# Altium PCB GridSeed_Rev03.PcbDoc (part 5 of 5)
Units mm, origin at the board's own origin, x right, y up, seen from the top; angles counter-clockwise.
Board outline 91 x 132.3 mm, 4 copper layers (L1, L2, L3, L4), stack 1.577 mm thick; 522 components, 141 nets, 2177 pads, 2361 vias.
Unrouted connection lines stored in the file: 44.
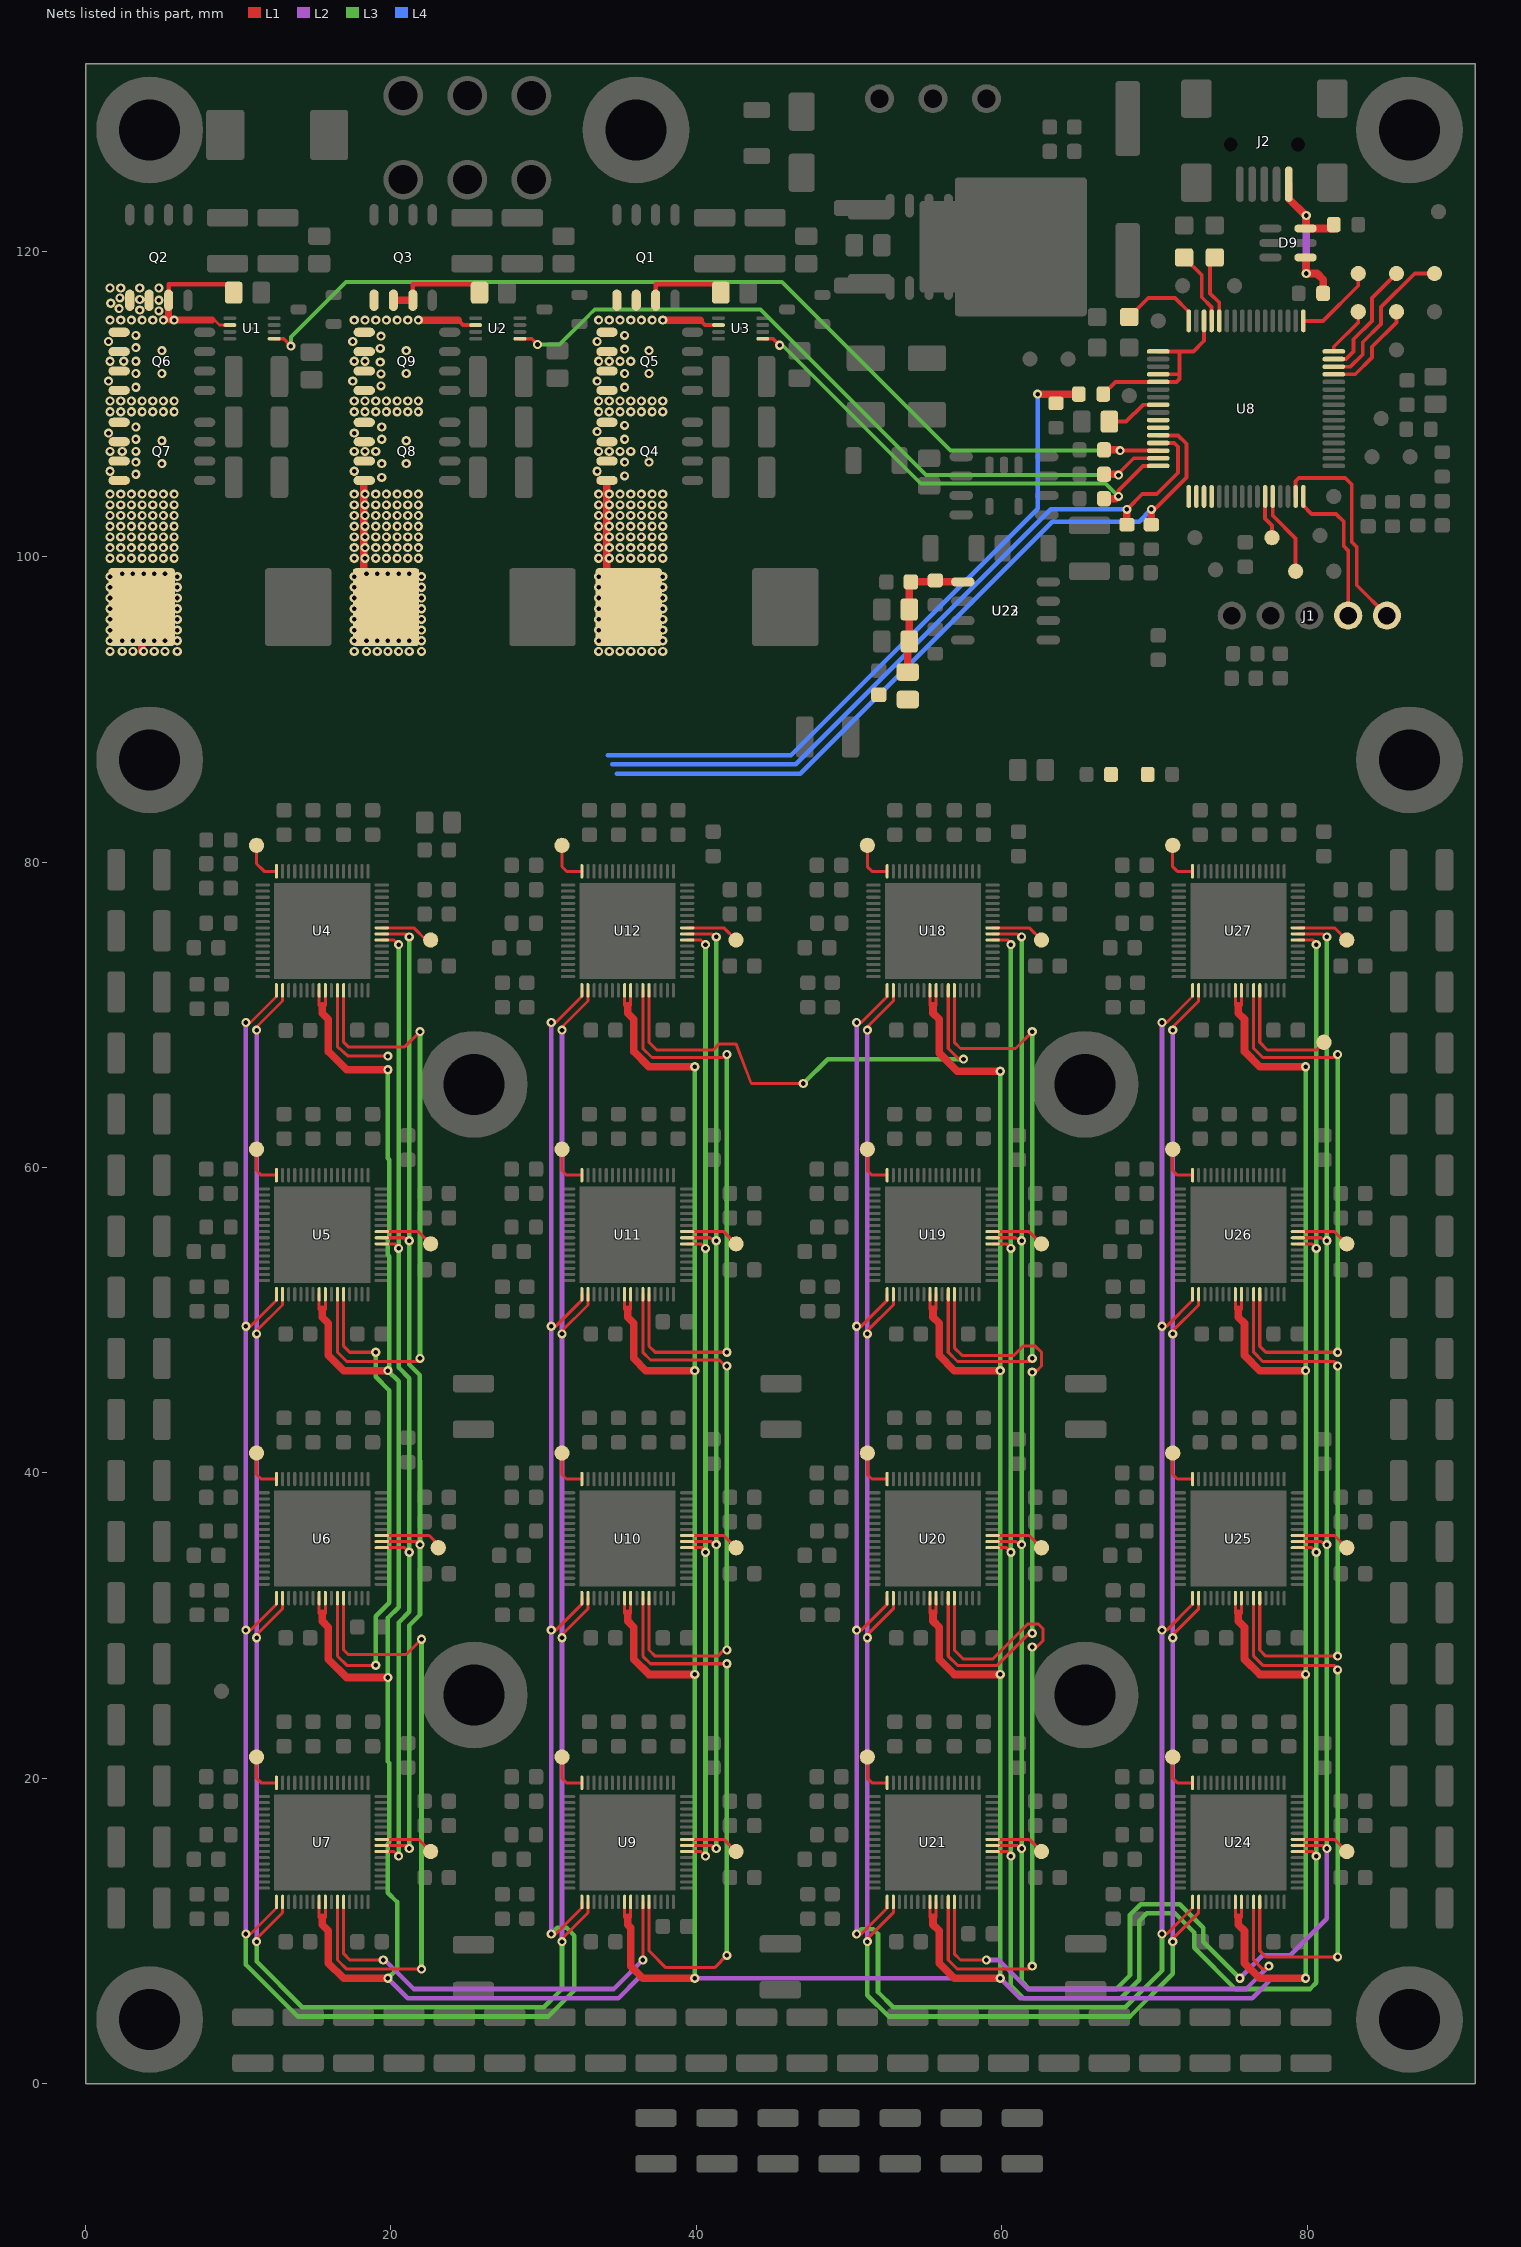
[diagram p7: the nets of this part, all layers, seen from the top]

## Via types
v1: diameter 0.6/0.6/0.6/0.6 (per signal layer), hole 0.3, L1 to L4, 2361 vias

## Nets (pads, with @x,y where several pads share a name; then routed paths per layer and width w, separated by ;. In a path a pad name is that pad's centre, name@x,y a point inside that pad or via, vN(x,y) a via of type N, cw(c..) or ccw(c..) an arc to the next point about the centre after c; other vN are vias at no path point) (continued)
NetTP27_1: TP27.1 U8.29 | length 6.6
  L1 w0.25: U8.29@81.75,111.95 83.156,111.95 84.253,113.047 84.253,113.753 85.85,115.35 TP27.1@85.85,116.05
NetTP28_1: TP28.1 U8.30 | length 10.2
  L1 w0.25: U8.30@81.75,112.45 82.85,112.45 83.65,113.25 83.65,114.05 84.85,115.25 84.85,116.35 87.05,118.55 TP28.1@88.35,118.55
NetTP29_1: TP29.1 U8.31 | length 7.8
  L1 w0.25: U8.31@81.75,112.95 82.55,112.95 83.05,113.45 83.05,114.25 84.25,115.45 84.25,116.95 TP29.1@85.85,118.55
NetTP30_1: TP30.1 U8.32 | length 3.3
  L1 w0.25: U8.32@81.75,113.45 81.75,113.75 83.35,115.35 TP30.1@83.35,116.05
NetTP31_1: TP31.1 U8.33 | length 5.4
  L1 w0.25: U8.33@79.75,115.45 81.05,115.45 83.35,117.75 TP31.1@83.35,118.55
NetTP53_1: TP53.1 U8.11 | length 2.9
  L1 w0.25: U8.11@77.25,103.95 77.25,102.494 77.7,102.044 TP53.1@77.7,101.25
NetTP54_1: TP54.1 U8.12 | length 5.5
  L1 w0.25: U8.12@77.75,103.95 77.75,102.7 79.25,101.2 TP54.1@79.25,99.05
ORANGE: D7.2 U8.45 | length 4.9
  L1 w0.25: D7.2@71.95,119.6 73.1,118.45 73.1,117 73.75,116.35 U8.45@73.75,115.45
PGC: J1.5 U8.15 | length 14.5
  L1 w0.25: U8.15@79.25,103.95 79.25,104.95 79.45,105.15 82.5,105.15 82.925,104.725 82.925,100.975 83.25,100.65 83.25,98.13 J1.5@85.23,96.15
PGD: J1.4 U8.16 | length 10
  L1 w0.25: U8.16@79.75,103.95 79.75,103.35 80.3,102.8 81.9,102.8 82.4,102.3 82.4,100.7 82.69,100.41 J1.4@82.69,96.15
PLL_SUP: C259.1 C260.1 C274.1 FB1.1 R50.1 R52.1 U22.1 U23.1 | length 9.7
  L1 w0.2: U22.1@57.405,98.355 U22.1@57.45,98.355 U22.1@57.501,98.355
  L1 w0.25: R50.1@55.6,98.355 R50.1@55.65,98.45
  L1 w0.5: FB1.1@53.85,92.45 53.85,94.35 C259.1@53.95,94.45 C274.1@53.95,96.55 53.95,98.25 54.055,98.355 R50.1@55.6,98.355 ; R50.1@55.65,98.45 55.6,98.4 R50.1@55.6,98.355 ; U22.1@57.405,98.355 R50.1@55.6,98.355 ; U22.1@57.501,98.355 U22.1@57.55,98.355
PWM2H: R22.1 U2.5 U8.63 | length 48.9
  L1 w0.25: U2.5@28.45,114.275 29.225,114.275 v1(29.6,113.9) ; v1(67.65,105.35) 67.6,105.4 68.65,106.45 U8.63@70.25,106.45
  L1 w0.5: R22.1@66.7,105.4 v1@67.6,105.4
  L3 w0.25: v1(29.6,113.9) 31.045,113.9 31.07,113.925 31.08,113.925 32.925,115.77 32.925,115.78 33.32,116.175 33.33,116.175 33.355,116.2 44.2,116.2 55.05,105.35 v1(67.65,105.35)
PWM2L: R24.1 U1.5 U8.62 | length 65.8
  L1 w0.25: U1.5@12.35,114.275 12.975,114.275 v1(13.45,113.8) ; v1(67.75,106.95) U8.62@70.25,106.95
  L1 w0.5: R24.1@66.7,107 67.7,107 v1(67.75,106.95)
  L3 w0.25: v1(13.45,113.8) 13.45,114.4 17.05,118 45.6,118 56.65,106.95 v1(67.75,106.95)
PWM3L: R21.1 U3.5 U8.64 | length 32.2
  L1 w0.25: U3.5@44.35,114.275 45.025,114.275 v1(45.45,113.85) ; v1(67.65,103.95) 67.65,104.35 69.25,105.95 U8.64@70.25,105.95
  L1 w0.5: R21.1@66.7,103.8 67.469,103.8 67.596,103.927 v1(67.65,103.95)
  L3 w0.25: v1(45.45,113.85) 45.65,113.85 54.7,104.8 66.8,104.8 v1(67.65,103.95)
RED: D4.2 U8.48 | length 5.4
  L1 w0.25: D4.2@68.35,115.7 69.6,116.95 71.35,116.95 72.25,116.05 U8.48@72.25,115.45
RX_BTC_0: U4.1 U5.1 U6.1 U7.1 U8.59 U9.1 U10.1 U11.1 U12.1 | length 175.3
  L1 w0.2: v1(10.5,9.8) 10.8,9.8 12.5,11.5 U7.1@12.5,11.9 ; v1(10.5,29.7) 10.8,29.7 12.5,31.4 U6.1@12.5,31.8 ; v1(10.5,49.6) 10.8,49.6 12.5,51.3 U5.1@12.5,51.7 ; v1(10.5,69.5) 10.8,69.5 12.5,71.2 U4.1@12.5,71.6 ; v1(30.5,9.8) 30.8,9.8 32.5,11.5 U9.1@32.5,11.9 ; v1(30.5,29.7) 30.8,29.7 32.5,31.4 U10.1@32.5,31.8 ; v1(30.5,49.6) 30.8,49.6 32.5,51.3 U11.1@32.5,51.7 ; v1(30.5,69.5) 30.8,69.5 32.5,71.2 U12.1@32.5,71.6
  L2 w0.3: v1(10.5,9.8) v1(10.5,29.7) v1(10.5,49.6) v1(10.5,69.5) ; v1(30.5,9.8) v1(30.5,29.7) v1(30.5,49.6) v1(30.5,69.5)
  L3 w0.3: v1(10.5,9.8) 10.5,7.8 13.9,4.4 30.3,4.4 32,6.1 32,9.7 31.5,10.2 30.9,10.2 v1(30.5,9.8)
RX_BTC_1: U8.3 U18.1 U19.1 U20.1 U21.1 U24.1 U25.1 U26.1 U27.1 | length 172.1
  L1 w0.2: v1(50.5,9.8) 50.8,9.8 52.5,11.5 U21.1@52.5,11.9 ; v1(50.5,29.7) 50.8,29.7 52.5,31.4 U20.1@52.5,31.8 ; v1(50.5,49.6) 50.8,49.6 52.5,51.3 U19.1@52.5,51.7 ; v1(50.5,69.5) 50.8,69.5 52.5,71.2 U18.1@52.5,71.6 ; v1(70.5,9.8) 70.8,9.8 72.5,11.5 U24.1@72.5,11.9 ; v1(70.5,29.7) 70.8,29.7 72.5,31.4 U25.1@72.5,31.8 ; v1(70.5,49.6) 70.8,49.6 72.5,51.3 U26.1@72.5,51.7 ; v1(70.5,69.5) 70.8,69.5 72.5,71.2 U27.1@72.5,71.6
  L2 w0.3: v1(50.5,9.8) v1(50.5,29.7) v1(50.5,49.6) v1(50.5,69.5) ; v1(70.5,9.8) v1(70.5,29.7) v1(70.5,49.6) v1(70.5,69.5)
  L3 w0.3: v1(50.5,9.8) 50.8,10.1 51.6,10.1 51.9,9.8 51.9,6 52.9,5 68.1,5 70.5,7.4 v1(70.5,9.8)
RX_LTC_0: U4.2 U5.2 U6.2 U7.2 U8.58 U9.2 U10.2 U11.2 U12.2 | length 172
  L1 w0.2: v1(11.2,9.3) 11.2,9.5 12.9,11.2 U7.2@12.9,11.9 ; v1(11.2,29.2) 11.2,29.4 12.9,31.1 U6.2@12.9,31.8 ; v1(11.2,49.1) 11.2,49.3 12.9,51 U5.2@12.9,51.7 ; v1(11.2,69) 11.2,69.2 12.9,70.9 U4.2@12.9,71.6 ; v1(31.2,9.3) 31.2,9.5 32.9,11.2 U9.2@32.9,11.9 ; v1(31.2,29.2) 31.2,29.4 32.9,31.1 U10.2@32.9,31.8 ; v1(31.2,49.1) 31.2,49.3 32.9,51 U11.2@32.9,51.7 ; v1(31.2,69) 31.2,69.2 32.9,70.9 U12.2@32.9,71.6
  L2 w0.3: v1(11.2,9.3) v1(11.2,29.2) v1(11.2,49.1) v1(11.2,69) ; v1(31.2,9.3) v1(31.2,29.2) v1(31.2,49.1) v1(31.2,69)
  L3 w0.3: v1(11.2,9.3) 11.2,8 14.2,5 30,5 31.2,6.2 v1(31.2,9.3)
RX_LTC_1: U8.4 U18.2 U19.2 U20.2 U21.2 U24.2 U25.2 U26.2 U27.2 | length 173.2
  L1 w0.2: v1(51.2,9.3) 51.2,9.5 52.9,11.2 U21.2@52.9,11.9 ; v1(51.2,29.2) 51.2,29.4 52.9,31.1 U20.2@52.9,31.8 ; v1(51.2,49.1) 51.2,49.3 52.9,51 U19.2@52.9,51.7 ; v1(51.2,69) 51.2,69.2 52.9,70.9 U18.2@52.9,71.6 ; v1(71.2,9.3) 71.2,9.5 72.9,11.2 U24.2@72.9,11.9 ; v1(71.2,29.2) 71.2,29.4 72.9,31.1 U25.2@72.9,31.8 ; v1(71.2,49.1) 71.2,49.3 72.9,51 U26.2@72.9,51.7 ; v1(71.2,69) 71.2,69.2 72.9,70.9 U27.2@72.9,71.6
  L2 w0.3: v1(51.2,9.3) v1(51.2,29.2) v1(51.2,49.1) v1(51.2,69) ; v1(71.2,9.3) v1(71.2,29.2) v1(71.2,49.1) v1(71.2,69)
  L3 w0.3: v1(51.2,9.3) 51.2,5.8 52.6,4.4 68.4,4.4 71.2,7.2 v1(71.2,9.3)
SWN1: C7.2 L1.1 Q2.1 Q2.2 Q2.3 Q6.5 Q6.6 Q6.7 Q6.8 Q7.5 Q7.6 Q7.7 Q7.8 U1.2 | length 14
  L1 w0.2: 8.3,115.5 8.45,115.5 8.775,115.175 U1.2@9.45,115.175
  L1 w0.3: Q2.3@5.435,116.58 Q2.3@5.435,116.8 5.435,117.85 9.15,117.85 C7.2@9.7,117.3
  L1 w0.45: Q2.3@5.435,116.58 5.435,115.575 5.52,115.49 5.53,115.5 v1(5.8,115.5) 8.3,115.5
  L1 w0.5: L1.1@3.675,96.7 3.675,93.8 v1(3.8,93.8)
  other v1: 1.6,93.8 2.4,93.8 3.1,93.8 4.5,93.8 5.2,93.8 6,93.8 1.6,94.5 2.4,94.5 3.1,94.5 3.8,94.5 4.5,94.5 5.2,94.5 6,94.5 1.6,95.2 6,95.2 1.6,95.9 6,95.9 1.6,96.6 6,96.6 1.6,97.3 6,97.3 1.6,98 6,98 1.6,98.7 6,98.7 2.4,98.9 3.1,98.9 3.8,98.9 4.5,98.9 5.2,98.9 1.6,99.9 2.3,99.9 3,99.9 3.7,99.9 4.4,99.9 5.1,99.9 5.8,99.9 1.6,100.6 2.3,100.6 3,100.6 3.7,100.6 4.4,100.6 5.1,100.6 5.8,100.6 1.6,101.3 2.3,101.3 3,101.3 3.7,101.3 4.4,101.3 5.1,101.3 5.8,101.3 1.6,102 2.3,102 3,102 3.7,102 4.4,102 5.1,102 5.8,102 1.6,102.7 2.3,102.7 3,102.7 3.7,102.7 4.4,102.7 5.1,102.7 5.8,102.7 1.6,103.4 2.3,103.4 3,103.4 3.7,103.4 4.4,103.4 5.1,103.4 5.8,103.4 1.6,104.1 2.3,104.1 3,104.1 3.7,104.1 4.4,104.1 5.1,104.1 5.8,104.1 3.3,105.4 1.6,105.6 5,106.1 3.3,106.2 1.6,106.9 2.4,106.9 3.3,106.9 5,107.6 3.3,107.7 1.5,108.1 3.3,108.5 1.6,109.5 2.3,109.5 3,109.5 3.7,109.5 4.4,109.5 5.1,109.5 5.8,109.5 1.6,110.2 2.3,110.2 3,110.2 3.7,110.2 4.4,110.2 5.1,110.2 5.8,110.2 3.3,111.1 1.5,111.5 3.3,112 5,112 1.6,112.8 2.5,112.8 3.3,112.8 5,113.5 3.3,113.7 1.5,114.1 3.3,114.5 1.6,115.5 2.3,115.5 3,115.5 3.7,115.5 4.4,115.5 5.1,115.5 4.8,116.1 3.55,116.15 2.2,116.25 1.65,116.6 4.8,116.8 3.55,116.85 2.25,116.95 1.6,117.6 2.3,117.6 3.55,117.6 4.8,117.6
SWN2: C8.2 L2.1 Q3.1 Q3.2 Q3.3 Q8.5 Q8.6 Q8.7 Q8.8 Q9.5 Q9.6 Q9.7 Q9.8 U2.2 | length 20.7
  L1 w0.25: 24.408,115.5 24.708,115.175 U2.2@25.55,115.175
  L1 w0.3: Q3.3@21.435,117.15 21.435,117.85 25.25,117.85 C8.2@25.8,117.3
  L1 w0.5: Q8.8@18.25,104.995 18.23,104.995 18.23,103.4 18.23,101.3 18.23,98.9 18.23,96.6 18.33,96.7 L2.1@19.675,96.7 ; Q3.2@20.165,116.8 Q3.3@21.435,116.8 Q3.3@21.435,117.15 ; v1(21.8,115.5) 24.408,115.5
  other v1: 17.6,93.8 18.4,93.8 19.1,93.8 19.8,93.8 20.5,93.8 21.2,93.8 22,93.8 17.6,94.5 18.4,94.5 19.1,94.5 19.8,94.5 20.5,94.5 21.2,94.5 22,94.5 17.6,95.2 22,95.2 17.6,95.9 22,95.9 17.6,96.6 22,96.6 17.6,97.3 22,97.3 17.6,98 22,98 17.6,98.7 22,98.7 18.4,98.9 19.1,98.9 19.8,98.9 20.5,98.9 21.2,98.9 17.6,99.9 18.3,99.9 19,99.9 19.7,99.9 20.4,99.9 21.1,99.9 21.8,99.9 17.6,100.6 18.3,100.6 19,100.6 19.7,100.6 20.4,100.6 21.1,100.6 21.8,100.6 17.6,101.3 18.3,101.3 19,101.3 19.7,101.3 20.4,101.3 21.1,101.3 21.8,101.3 17.6,102 18.3,102 19,102 19.7,102 20.4,102 21.1,102 21.8,102 17.6,102.7 18.3,102.7 19,102.7 19.7,102.7 20.4,102.7 21.1,102.7 21.8,102.7 17.6,103.4 18.3,103.4 19,103.4 19.7,103.4 20.4,103.4 21.1,103.4 21.8,103.4 17.6,104.1 18.3,104.1 19,104.1 19.7,104.1 20.4,104.1 21.1,104.1 21.8,104.1 19.4,105.2 17.6,105.6 19.4,106.1 21,106.1 17.6,106.9 18.3,106.9 19,106.9 21,107.6 19.4,107.7 17.6,108.1 19.4,108.5 17.6,109.5 18.3,109.5 19,109.5 19.7,109.5 20.4,109.5 21.1,109.5 21.8,109.5 17.6,110.2 18.3,110.2 19,110.2 19.7,110.2 20.4,110.2 21.1,110.2 21.8,110.2 19.35,111.192 17.5,111.5 19.35,111.976 21,112 19.3,112.75 17.6,112.8 18.3,112.8 21,113.5 19.3,113.65 17.5,114.1 19.35,114.45 17.6,115.5 18.3,115.5 19,115.5 19.7,115.5 20.4,115.5 21.1,115.5
SWN3: C9.2 L3.1 Q1.1 Q1.2 Q1.3 Q4.5 Q4.6 Q4.7 Q4.8 Q5.5 Q5.6 Q5.7 Q5.8 U3.2 | length 19.1
  L1 w0.2: Q4.8@34.13,104.995 Q4.8@34.15,104.995
  L1 w0.25: 40.25,115.5 40.575,115.175 U3.2@41.45,115.175
  L1 w0.3: Q1.3@37.335,116.8 37.335,117.85 41.05,117.85 C9.2@41.6,117.3
  L1 w0.5: Q4.8@34.13,104.995 34.13,103.4 34.13,102 34.13,98 34.13,96.7 L3.1@35.575,96.7 ; v1(37.8,115.5) 40.25,115.5
  other v1: 33.6,93.8 34.3,93.8 35,93.8 35.7,93.8 36.4,93.8 37.1,93.8 37.8,93.8 33.6,94.5 37.8,94.5 33.6,95.2 37.8,95.2 33.6,95.9 37.8,95.9 33.6,96.6 37.8,96.6 33.6,97.3 37.8,97.3 33.6,98 37.8,98 33.6,98.7 37.8,98.7 33.6,99.9 34.3,99.9 35,99.9 35.7,99.9 36.4,99.9 37.1,99.9 37.8,99.9 33.6,100.6 34.3,100.6 35,100.6 35.7,100.6 36.4,100.6 37.1,100.6 37.8,100.6 33.6,101.3 34.3,101.3 35,101.3 35.7,101.3 36.4,101.3 37.1,101.3 37.8,101.3 33.6,102 34.3,102 35,102 35.7,102 36.4,102 37.1,102 37.8,102 33.6,102.7 34.3,102.7 35,102.7 35.7,102.7 36.4,102.7 37.1,102.7 37.8,102.7 33.6,103.4 34.3,103.4 35,103.4 35.7,103.4 36.4,103.4 37.1,103.4 37.8,103.4 33.6,104.1 34.3,104.1 35,104.1 35.7,104.1 36.4,104.1 37.1,104.1 37.8,104.1 35.3,105.3 33.5,105.6 35.3,106.2 36.9,106.2 33.6,106.9 34.3,106.9 35,106.9 35.7,106.9 35.3,107.7 33.5,108.2 35.3,108.6 33.6,109.5 34.3,109.5 35,109.5 35.7,109.5 36.4,109.5 37.1,109.5 37.8,109.5 33.6,110.2 34.3,110.2 35,110.2 35.7,110.2 36.4,110.2 37.1,110.2 37.8,110.2 35.3,111.1 33.5,111.5 35.3,112 36.9,112 33.6,112.8 34.3,112.8 35,112.8 35.7,112.8 36.9,113.5 35.3,113.6 33.5,114.1 35.3,114.5 33.6,115.5 34.3,115.5 35,115.5 35.7,115.5 36.4,115.5 37.1,115.5
TP1011: TP5.1 U4.25 | length 3.5
  L1 w0.2: U4.25@19.4,75.7 21.5,75.7 22.3,74.9 TP5.1@22.6,74.9
TP1012: TP6.1 U5.25 | length 3.5
  L1 w0.2: U5.25@19.4,55.8 21.8,55.8 TP6.1@22.6,55
TP1013: TP7.1 U6.25 | length 4.1
  L1 w0.2: U6.25@19.4,35.9 22.5,35.9 23.1,35.3 TP7.1@23.1,35.1
TP1014: TP8.1 U7.25 | length 3.5
  L1 w0.2: U7.25@19.4,16 21.8,16 TP8.1@22.6,15.2
TP1015: TP32.1 U9.25 | length 3.5
  L1 w0.2: U9.25@39.4,16 41.8,16 TP32.1@42.6,15.2
TP1016: TP33.1 U10.25 | length 3.5
  L1 w0.2: U10.25@39.4,35.9 41.8,35.9 TP33.1@42.6,35.1
TP1017: TP34.1 U11.25 | length 3.5
  L1 w0.2: U11.25@39.4,55.8 41.8,55.8 TP34.1@42.6,55
TP1018: TP35.1 U12.25 | length 3.5
  L1 w0.2: U12.25@39.4,75.7 41.8,75.7 TP35.1@42.6,74.9
TP1019: TP40.1 U18.25 | length 3.5
  L1 w0.2: U18.25@59.4,75.7 61.8,75.7 TP40.1@62.6,74.9
TP10110: TP41.1 U19.25 | length 3.5
  L1 w0.2: U19.25@59.4,55.8 61.8,55.8 TP41.1@62.6,55
TP10111: TP42.1 U20.25 | length 3.5
  L1 w0.2: U20.25@59.4,35.9 61.8,35.9 TP42.1@62.6,35.1
TP10112: TP43.1 U21.25 | length 3.5
  L1 w0.2: U21.25@59.4,16 61.8,16 TP43.1@62.6,15.2
TP10113: TP49.1 U24.25 | length 3.5
  L1 w0.2: U24.25@79.4,16 81.8,16 TP49.1@82.6,15.2
TP10114: TP50.1 U25.25 | length 3.5
  L1 w0.2: U25.25@79.4,35.9 81.8,35.9 TP50.1@82.6,35.1
TP10115: TP51.1 U26.25 | length 3.5
  L1 w0.2: U26.25@79.4,55.8 81.8,55.8 TP51.1@82.6,55
TP10116: TP52.1 U27.25 | length 3.5
  L1 w0.2: U27.25@79.4,75.7 81.8,75.7 TP52.1@82.6,74.9
TP_1001: TP1.1 U4.48 | length 2.7
  L1 w0.2: TP1.1@11.2,81.1 11.2,79.9 11.7,79.4 U4.48@12.5,79.4
TP_1002: TP2.1 U5.48 | length 2.8
  L1 w0.2: TP2.1@11.2,61.2 11.2,59.8 11.5,59.5 U5.48@12.5,59.5
TP_1003: TP3.1 U6.48 | length 2.8
  L1 w0.2: TP3.1@11.2,41.3 11.2,39.9 11.5,39.6 U6.48@12.5,39.6
TP_1004: TP4.1 U7.48 | length 2.8
  L1 w0.2: TP4.1@11.2,21.4 11.2,20 11.5,19.7 U7.48@12.5,19.7
TP_1005: TP13.1 U9.48 | length 2.8
  L1 w0.2: TP13.1@31.2,21.4 31.2,20 31.5,19.7 U9.48@32.5,19.7
TP_1006: TP14.1 U10.48 | length 2.8
  L1 w0.2: TP14.1@31.2,41.3 31.2,39.9 31.5,39.6 U10.48@32.5,39.6
TP_1007: TP15.1 U11.48 | length 2.8
  L1 w0.2: TP15.1@31.2,61.2 31.2,59.8 31.5,59.5 U11.48@32.5,59.5
TP_1008: TP16.1 U12.48 | length 2.8
  L1 w0.2: TP16.1@31.2,81.1 31.2,79.7 31.5,79.4 U12.48@32.5,79.4
TP_1009: TP36.1 U18.48 | length 2.8
  L1 w0.2: TP36.1@51.2,81.1 51.2,79.7 51.5,79.4 U18.48@52.5,79.4
TP_10010: TP37.1 U19.48 | length 2.8
  L1 w0.2: TP37.1@51.2,61.2 51.2,59.8 51.5,59.5 U19.48@52.5,59.5
TP_10011: TP38.1 U20.48 | length 2.8
  L1 w0.2: TP38.1@51.2,41.3 51.2,39.9 51.5,39.6 U20.48@52.5,39.6
TP_10012: TP39.1 U21.48 | length 2.8
  L1 w0.2: TP39.1@51.2,21.4 51.2,20 51.5,19.7 U21.48@52.5,19.7
TP_10013: TP44.1 U24.48 | length 2.8
  L1 w0.2: TP44.1@71.2,21.4 71.2,20 71.5,19.7 U24.48@72.5,19.7
TP_10014: TP45.1 U25.48 | length 2.8
  L1 w0.2: TP45.1@71.2,41.3 71.2,39.9 71.5,39.6 U25.48@72.5,39.6
TP_10015: TP46.1 U26.48 | length 2.8
  L1 w0.2: TP46.1@71.2,61.2 71.2,59.8 71.5,59.5 U26.48@72.5,59.5
TP_10016: TP47.1 U27.48 | length 2.8
  L1 w0.2: TP47.1@71.2,81.1 71.2,79.7 71.5,79.4 U27.48@72.5,79.4
TX_BTC_0: R7.1 U4.24 U5.24 U6.24 U7.24 U8.61 U9.24 U10.24 U11.24 U12.24 | length 185.1
  L1 w0.2: U7.24@19.4,15.6 21,15.6 v1(21.2,15.4) ; U6.24@19.4,35.5 21.7,35.5 v1(21.9,35.3) ; U5.24@19.4,55.4 20.9,55.4 v1(21.2,55.2) ; U4.24@19.4,75.3 21,75.3 v1(21.2,75.1) ; U9.24@39.4,15.6 41,15.6 v1(41.3,15.4) ; U10.24@39.4,35.5 41,35.5 v1(41.3,35.3) ; U11.24@39.4,55.4 40.9,55.4 v1(41.3,55.2) ; U12.24@39.4,75.3 41,75.3 v1(41.3,75.1)
  L1 w0.25: v1(68.2,103.1) 69.2,104.1 70.15,104.1 71.55,105.5 71.55,107.2 71.3,107.45 U8.61@70.25,107.45
  L1 w0.5: R7.1@68.2,102.1 v1(68.2,103.1)
  L3 w0.3: v1(21.2,15.4) 21.204,15.522 21.204,30.004 21.9,30.7 v1(21.9,35.3) 21.9,46.4 21.2,47.1 v1(21.2,55.2) v1(21.2,75.1) ; v1(41.3,15.4) v1(41.3,35.3) v1(41.3,55.2) v1(41.3,75.1)
  L4 w0.3: 34.5,86.4 46.5,86.4 63.2,103.1 v1(68.2,103.1)
TX_BTC_1: R53.1 U8.1 U18.24 U19.24 U20.24 U21.24 U24.24 U25.24 U26.24 U27.24 | length 177.3
  L1 w0.2: U21.24@59.4,15.6 61,15.6 v1(61.3,15.4) ; U20.24@59.4,35.5 60.9,35.5 v1(61.3,35.3) ; U19.24@59.4,55.4 60.9,55.4 v1(61.3,55.2) ; U18.24@59.4,75.3 61,75.3 v1(61.3,75.1) ; U24.24@79.4,15.6 81,15.6 v1(81.3,15.4) ; U25.24@79.4,35.5 80.9,35.5 v1(81.3,35.3) ; U26.24@79.4,55.4 80.9,55.4 v1(81.3,55.2) ; U27.24@79.4,75.3 81,75.3 v1(81.3,75.1)
  L2 w0.3: v1(75.6,6.9) 77.1,8.4 78.9,8.4 81.3,10.8 v1(81.3,15.4)
  L3 w0.3: v1(61.3,75.1) v1(61.3,55.2) v1(61.3,35.3) v1(61.3,15.4) 61.3,6.7 61.8,6.2 67.5,6.2 68.4,7.1 68.4,11.05 69.1,11.75 71.65,11.75 73.2,10.2 73.2,9.3 v1(75.6,6.9) ; v1(81.3,15.4) v1(81.3,35.3) v1(81.3,55.2) v1(81.3,75.1)
TX_LTC_0: R8.2 U4.23 U5.23 U6.23 U7.23 U8.60 U9.23 U10.23 U11.23 U12.23 | length 181.6
  L1 w0.2: U7.23@19.4,15.2 20.2,15.2 v1(20.5,14.9) ; U6.23@19.4,35.1 20.9,35.1 v1(21.2,34.8) ; U5.23@19.4,55 20.3,55 v1(20.5,54.7) ; U4.23@19.4,74.9 20.2,74.9 v1(20.5,74.6) ; U9.23@39.4,15.2 40.3,15.2 v1(40.6,14.9) ; U10.23@39.4,35.1 40.4,35.1 v1(40.6,34.8) ; U11.23@39.4,55 40.3,55 v1(40.6,54.7) ; U12.23@39.4,74.9 40.3,74.9 v1(40.6,74.6)
  L1 w0.25: v1(69.8,103.1) 70,103.1 72.1,105.2 72.1,107.4 71.55,107.95 U8.60@70.25,107.95
  L1 w0.5: R8.2@69.8,102.1 v1(69.8,103.1)
  L3 w0.3: v1(20.5,14.9) 20.5,30.2 21.2,30.9 v1(21.2,34.8) 21.199,46.2 20.5,46.899 v1(20.5,54.7) v1(20.5,74.6) ; v1(40.6,14.9) v1(40.6,34.8) v1(40.6,54.7) v1(40.6,74.6)
  L4 w0.3: 34.8,85.8 46.8,85.8 63.3,102.3 69,102.3 v1(69.8,103.1)
TX_LTC_1: R54.2 U8.2 U18.23 U19.23 U20.23 U21.23 U24.23 U25.23 U26.23 U27.23 | length 174.6
  L1 w0.2: U21.23@59.4,15.2 60.4,15.2 v1(60.6,14.9) ; U20.23@59.4,35.1 60.3,35.1 v1(60.6,34.8) ; U19.23@59.4,55 60.3,55 v1(60.6,54.7) ; U18.23@59.4,74.9 60.4,74.9 v1(60.6,74.6) ; U24.23@79.4,15.2 80.4,15.2 v1(80.6,14.9) ; U25.23@79.4,35.1 80.3,35.1 v1(80.6,34.8) ; U26.23@79.4,55 80.3,55 v1(80.6,54.7) ; U27.23@79.4,74.9 80.4,74.9 v1(80.6,74.6)
  L3 w0.3: v1(60.6,74.6) v1(60.6,54.7) v1(60.6,34.8) v1(60.6,14.9) 60.6,6.4 61.4,5.6 67.8,5.6 69,6.8 69,10.65 69.5,11.15 71.35,11.15 72.6,9.9 72.6,8.9 75.3,6.2 80.19,6.2 80.6,6.61 v1(80.6,14.9) v1(80.6,34.8) v1(80.6,54.7) v1(80.6,74.6)
USB5.0V: D9.4 D9.6 J2.1 R32.1 R33.2 | length 12.6
  L1 w0.5: J2.1@78.8,124.4 78.8,123.45 79.9,122.35 v1(79.95,122.35) 79.95,121.55 D9.6@79.9,121.5 81.75,121.5 R33.2@81.75,121.75 ; D9.4@79.9,119.6 79.95,119.55 v1(79.95,118.55) 80.65,118.55 81.05,118.15 R32.1@81.05,117.25
  L2 w0.5: v1(79.95,118.55) v1(79.95,122.35)
VCAP: C139.1 U8.56 | length 3.7
  L1 w0.25: C139.1@67.05,108.85 68.15,108.85 69.25,109.95 U8.56@70.25,109.95
VDD_PLL: C261.1 FB1.2 U4.8 U4.9 U5.8 U5.9 U6.8 U6.9 U7.8 U7.9 U9.8 U9.9 U10.8 U10.9 U11.8 U11.9 U12.8 U12.9 U18.8 U18.9 U19.8 U19.9 U20.8 U20.9 U21.8 U21.9 U24.8 U24.9 U25.8 U25.9 U26.8 U26.9 U27.8 U27.9 | length 461.9
  L1 w0.2: U7.8@15.3,11.9 15.3,10.9 15.5,10.9 15.7,10.9 U7.9@15.7,11.9 ; U6.8@15.3,31.8 15.3,30.8 15.5,30.8 15.7,30.8 U6.9@15.7,31.8 ; U5.8@15.3,51.7 15.3,50.7 15.5,50.7 15.7,50.7 U5.9@15.7,51.7 ; U4.8@15.3,71.6 15.3,70.6 15.5,70.6 15.7,70.6 U4.9@15.7,71.6 ; U9.8@35.3,11.9 35.3,10.9 35.5,10.9 35.7,10.9 U9.9@35.7,11.9 ; U10.8@35.3,31.8 35.3,30.8 35.5,30.8 35.7,30.8 U10.9@35.7,31.8 ; U11.8@35.3,51.7 35.3,50.7 35.5,50.7 35.7,50.7 U11.9@35.7,51.7 ; U12.8@35.3,71.6 35.3,70.6 35.5,70.6 35.7,70.6 U12.9@35.7,71.6 ; U21.8@55.3,11.9 55.3,10.9 55.5,10.9 55.7,10.9 U21.9@55.7,11.9 ; U20.8@55.3,31.8 55.3,30.8 55.5,30.8 55.7,30.8 U20.9@55.7,31.8 ; U19.8@55.3,51.7 55.3,50.7 55.5,50.7 55.7,50.7 U19.9@55.7,51.7 ; U18.8@55.3,71.6 55.3,70.6 55.5,70.6 55.7,70.6 U18.9@55.7,71.6 ; U24.8@75.3,11.9 75.3,10.9 75.5,10.9 75.7,10.9 U24.9@75.7,11.9 ; U25.8@75.3,31.8 75.3,30.8 75.5,30.8 75.7,30.8 U25.9@75.7,31.8 ; U26.8@75.3,51.7 75.3,50.7 75.5,50.7 75.7,50.7 U26.9@75.7,51.7 ; U27.8@75.3,71.6 75.3,70.6 75.5,70.6 75.7,70.6 U27.9@75.7,71.6
  L1 w0.5: 15.5,10.9 15.5,10.4 15.9,10 15.9,7.9 16.9,6.9 v1(19.8,6.9) ; 15.5,30.8 15.5,30.3 15.9,29.9 15.9,27.8 17.1,26.6 v1(19.8,26.6) ; 15.5,50.7 15.5,50.2 15.9,49.8 15.9,47.7 16.9,46.7 v1(19.8,46.7) ; 15.5,70.6 15.5,70.1 15.9,69.7 15.9,67.6 17.1,66.4 v1(19.8,66.4) ; 35.5,10.9 35.5,10.4 35.7,10.2 35.7,7.7 36.5,6.9 v1(39.9,6.9) ; 35.5,30.8 35.5,30.3 35.9,29.9 35.9,27.8 36.9,26.8 v1(39.9,26.8) ; 35.5,50.7 35.5,50.2 35.9,49.8 35.9,47.5 36.7,46.7 v1(39.9,46.7) ; 35.5,70.6 35.5,70.1 35.9,69.7 35.9,67.6 36.9,66.6 v1(39.9,66.6) ; 55.5,10.9 55.5,10.4 55.9,10 55.9,7.9 56.9,6.9 v1(59.9,6.9) ; 55.5,30.8 55.5,30.3 55.9,29.9 55.9,27.8 56.9,26.8 v1(59.9,26.8) ; 55.5,50.7 55.5,50.2 55.9,49.8 55.9,47.7 56.9,46.7 v1(59.9,46.7) ; 55.5,70.6 55.5,70.1 55.9,69.7 55.9,67.5 57.1,66.3 v1(59.9,66.3) ; 75.5,10.9 75.5,10.4 75.9,10 75.9,7.9 76.9,6.9 v1(79.9,6.9) ; 75.5,30.8 75.5,30.3 75.9,29.9 75.9,27.8 76.9,26.8 v1(79.9,26.8) ; 75.5,50.7 75.5,50.2 75.9,49.8 75.9,47.7 76.9,46.7 v1(79.9,46.7) ; 75.5,70.6 75.5,70.1 75.9,69.7 75.9,67.6 76.9,66.6 v1(79.9,66.6)
  L2 w0.3: v1(19.8,6.9) 21.1,5.6 34.9,5.6 36.2,6.9 v1(39.9,6.9) v1(59.9,6.9) 61.2,5.6 76.4,5.6 77.7,6.9 v1(79.9,6.9)
  L3 w0.3: v1(19.8,6.9) 20.4,7.5 20.4,11.9 19.8,12.5 19.8,15.7 19.9,15.8 19.9,21 19.8,21.1 v1(19.8,26.6) 19.8,30.5 20.5,31.2 20.5,46 v1(19.8,46.7) 19.9,46.8 19.9,54.2 19.8,54.3 19.8,55.3 19.9,55.4 19.9,60.5 19.8,60.6 v1(19.8,66.4) ; v1(39.9,6.9) v1(39.9,26.8) v1(39.9,46.7) v1(39.9,66.6) ; v1(59.9,6.9) v1(59.9,26.8) v1(59.9,46.7) v1(59.9,66.3) ; v1(79.9,6.9) v1(79.9,26.8) v1(79.9,46.7) v1(79.9,66.6)
XCLK1: R27.2 U8.46 U8.49 U8.52 U8.53 | length 13.2
  L1 w0.25: R27.2@66.65,110.65 67.45,111.45 71.45,111.45 71.65,111.65 71.65,111.95 ; U8.52@70.25,111.95 71.65,111.95 ; U8.49@70.25,113.45 71.65,113.45 ; U8.46@73.25,115.45 73.25,114.15 72.55,113.45 71.65,113.45 ; 71.65,111.95 71.65,113.45
XCLKIN: R27.1 R30.1 U4.11 | length 52.9
  L1 w0.2: U4.11@16.5,71.6 16.5,67.9 17.2,67.3 v1(19.8,67.3)
  L1 w0.5: v1(62.35,110.65) 63.55,110.65 ; R30.1@63.55,110.05 63.55,110.65 ; R27.1@65.05,110.65 63.55,110.65
  L4 w0.3: 34.2,87 46.2,87 62.35,103.15 v1(62.35,110.65)
XCLKOUT_1: U4.12 U5.11 | length 39.9
  L1 w0.2: U5.11@16.5,51.7 16.5,47.9 17.1,47.3 21.7,47.3 v1(21.9,47.5) ; U4.12@16.9,71.6 16.9,68.2 17.2,67.9 20.9,67.9 v1(21.9,68.9)
  L3 w0.3: v1(21.9,47.5) v1(21.9,68.9)
XCLKOUT_2: U5.12 U6.11 | length 33.5
  L1 w0.2: U6.11@16.5,31.8 16.5,28 17.1,27.4 v1(19,27.4) ; U5.12@16.9,51.7 16.9,48.3 17.3,47.9 v1(19,47.9)
  L3 w0.3: v1(19,27.4) 19,30.6 19.9,31.5 19.9,45.4 19,46.3 v1(19,47.9)
XCLKOUT_3: U6.12 U7.11 | length 40.2
  L1 w0.2: U7.11@16.5,11.9 16.5,8.1 17.1,7.5 v1(22,7.5) ; U6.12@16.9,31.8 16.9,28.4 17.2,28.1 21,28.1 v1(22,29.1)
  L3 w0.3: v1(22,7.5) v1(22,29.1)
XCLKOUT_4: U7.12 U9.11 | length 28.5
  L1 w0.2: U7.12@16.9,11.9 16.9,8.5 17.3,8.1 v1(19.5,8.1) ; v1(36.5,8.1) U9.11@36.5,11.9
  L2 w0.3: v1(19.5,8.1) 19.6,8.1 21.5,6.2 34.6,6.2 v1(36.5,8.1)
XCLKOUT_5: U9.12 U10.11 | length 37.7
  L1 w0.2: U10.11@36.5,31.8 36.5,28 37,27.5 v1(42,27.5) ; U9.12@36.9,11.9 36.9,8.7 38,7.6 41.2,7.6 v1(42,8.4)
  L3 w0.3: v1(42,8.4) v1(42,27.5)
XCLKOUT_6: U10.12 U11.11 | length 37.1
  L1 w0.2: U11.11@36.5,51.7 36.5,47.9 37,47.4 41.5,47.4 41.9,47 v1(42,47) ; U10.12@36.9,31.8 36.9,28.4 37.3,28 41.4,28 41.8,28.4 v1(42,28.4)
  L3 w0.3: v1(42,28.4) v1(42,47)
XCLKOUT_7: U11.12 U12.11 | length 37.8
  L1 w0.2: U12.11@36.5,71.6 36.5,67.8 37.1,67.2 41.7,67.2 v1(42,67.4) ; U11.12@36.9,51.7 36.9,48.3 37.3,47.9 v1(42,47.9)
  L3 w0.3: v1(42,47.9) v1(42,67.4)
XCLKOUT_8: U12.12 U18.11 | length 31.9
  L1 w0.2: U12.12@36.9,71.6 36.9,68.2 37.4,67.7 41.1,67.7 41.5,68.1 42.6,68.1 43.6,65.5 v1(47,65.5) ; U18.11@56.5,71.6 56.5,67.8 57.2,67.1 v1(57.5,67.1)
  L3 w0.3: v1(47,65.5) 48.6,67.1 v1(57.5,67.1)
XCLKOUT_9: U18.12 U19.11 | length 40.2
  L1 w0.2: U19.11@56.5,51.7 56.5,47.9 57.1,47.3 61.8,47.3 v1(62,47.5) ; U18.12@56.9,71.6 56.9,68.2 57.3,67.8 60.9,67.8 v1(62,68.9)
  L3 w0.3: v1(62,47.5) v1(62,68.9)
XCLKOUT_10: U19.12 U20.11 | length 39
  L1 w0.2: U20.11@56.5,31.8 56.5,28 57.1,27.4 59.7,27.4 61.8,29.5 v1(62,29.5) ; U19.12@56.9,51.7 56.9,48.2 57.4,47.7 60.8,47.7 61.4,48.3 62.2,48.3 62.6,47.9 62.6,47 62.2,46.6 v1(62,46.6)
  L3 w0.3: v1(62,29.5) v1(62,46.6)
XCLKOUT_11: U20.12 U21.11 | length 42.7
  L1 w0.2: U21.11@56.5,11.9 56.5,8.1 57.1,7.5 61.8,7.5 v1(62,7.7) ; U20.12@56.9,31.8 56.9,28.4 57.5,27.8 59.4,27.8 61.7,30.1 62.4,30.1 62.7,29.8 62.7,29 62.3,28.6 v1(62,28.6)
  L3 w0.3: v1(62,7.7) v1(62,28.6)
XCLKOUT_12: U21.12 U24.11 | length 30.7
  L1 w0.2: U21.12@56.9,11.9 56.9,8.5 57.3,8.1 v1(59,8.1) ; U24.11@76.5,11.9 76.5,8.1 77.1,7.5 77.3,7.5 v1(77.5,7.7)
  L2 w0.3: v1(59,8.1) 59.8,8.1 61.7,6.2 76,6.2 v1(77.5,7.7)
XCLKOUT_13: U24.12 U25.11 | length 37
  L1 w0.2: U25.11@76.5,31.8 76.5,28 77.1,27.4 81.8,27.4 v1(82,27.1) ; U24.12@76.9,11.9 76.9,8.7 77.3,8.3 v1(82,8.3)
  L3 w0.3: v1(82,8.3) v1(82,27.1)
XCLKOUT_14: U25.12 U26.11 | length 37.4
  L1 w0.2: U26.11@76.5,51.7 76.5,47.9 77.1,47.3 81.8,47.3 v1(82,47) ; U25.12@76.9,31.8 76.9,28.4 77.3,28 v1(82,28)
  L3 w0.3: v1(82,28) v1(82,47)
XCLKOUT_15: U26.12 U27.11 | length 37.8
  L1 w0.2: U27.11@76.5,71.6 76.5,67.8 77.1,67.2 81.8,67.2 v1(82,67.4) ; U26.12@76.9,51.7 76.9,48.3 77.3,47.9 v1(82,47.9)
  L3 w0.3: v1(82,47.9) v1(82,67.4)
XCLKOUT_16: TP48.1 U27.12 | length 8
  L1 w0.2: U27.12@76.9,71.6 76.9,68.2 77.4,67.7 80.6,67.7 TP48.1@81.1,68.2
YELLOW: D6.2 U8.44 | length 4.5
  L1 w0.25: D6.2@73.95,119.6 73.65,119.3 73.65,117.25 74.25,116.65 U8.44@74.25,115.45
pads on no net: FID1.1 FID2.1 J2.4 J2.10 J2.11 U8.65 U8.66 U13.4 U13.5 U14.4 U15.2 U15.3 U15.4 U22.3 U22.4 U23.3 U23.4

## Polygon pours and split planes (outlines as drawn)
SWN1 on L3 "L3-SWN1" (solid, remove dead copper, pour order 57): 6.3,93.4 6.292,118 1.2,118 1.2,93.4
SWN2 on L3 "L3-SWN2" (solid, remove dead copper, pour order 56): 22.3,93.4 22.3,116.05 17.2,116.05 17.2,93.4
SWN3 on L3 "L3-SWN3" (solid, remove dead copper, pour order 55): 38.2,93.4 38.193,116.05 33.2,116.05 33.2,93.4
1V on L3 "L3-1V" (solid, remove dead copper, pour order 59): 0,0 0,102.5 9.25,102.5 9.35,107.5 11,109 11,112.55 13.75,112.55 13.75,109 16.994,109 17,102.75 25.25,102.75 25.25,109 27,109 27,112.55 29.75,112.55 29.75,109 33,109 33,102.75 41.25,102.75 41.25,107.25 43,109 43,112.55 45.5,112.55 45.5,109 50.427,109 56.377,103 91,103 91,0
GND on L3 "L3-GND" (solid, remove dead copper, pour order 60): 0,0 91,0 91,132.25 0,132.25
12V on L3 "L3-12V" (solid, remove dead copper, pour order 58): 1.2,123.2 9.701,131.75 53.55,131.75 53.55,128.15 40.3,128.15 40.3,118.3 33.2,118.3 33.2,120.55 30.25,123.5 30.25,124.75 29,126 25.083,126 24.4,125.487 24.4,118.3 17.2,118.3 17.2,122.8 21.1,122.8 21.1,125.65 20.75,126 11.4,126 8.5,123.1 8.5,118.3 1.2,118.3
1V on L4 "L4-1V 2" (solid, remove dead copper, pour order 61): 27.609,113.142 29.75,111 29.75,109.5 32.1,107.15 32.1,93.4 27,93.4 27,113.142
12V on L4 "L4-12V" (solid, remove dead copper, pour order 67): 47.625,118.3 47.625,134.1 1.2,134.1 1.2,118.3
SWN2 on L4 "L4-SWN2" (solid, remove dead copper, pour order 66): 22.3,93.4 22.3,118 17.2,118 17.2,93.4
SWN3 on L4 "L4-SWN3" (solid, remove dead copper, pour order 64): 38.2,93.4 38.187,118 33.2,118 33.2,93.4
1V on L4 "L4-1V 1" (solid, remove dead copper, pour order 63): 11.608,113.142 13.75,111 13.75,109.5 16.1,107.15 16.1,93.4 10.8,93.4 10.8,113.142
GND on L4 "L4-GND" (solid, remove dead copper, pour order 68): 0,0 91,0 91,132.25 0,132.25
SWN1 on L4 "L4-SWN1" (solid, remove dead copper, pour order 65): 6.3,93.4 6.29,118 1.2,118 1.2,93.4
1V on L4 "L4-1V" (solid, remove dead copper, pour order 62): 43.509,113.042 45.65,110.9 45.65,109.45 48,107.1 48,93 42.9,93 42.9,113.042
1V on L1 "L1-1V 4" (solid, remove dead copper, pour order 45): 9.5,2.9 81.7,2.9 81.7,0.1 9.5,0.1
1V on L1 "L1-1V 3" (solid, remove dead copper, pour order 41): 16.1,93.4 16.1,107.15 13.75,109.5 13.75,113.25 11,113.25 10.8,113.05 10.8,93.4
1V on L1 "L1-1V 2" (solid, remove dead copper, pour order 46): 10.8,99.4 10.8,88.4 3.7,81.3 3.7,7.3 87.3,7.3 87.3,86.3 48.9,86.3 48,87.2 48,99.2 42.9,99.2 42.9,92.2 32.1,92.2 32.1,99.2 27,99.2 27,92.3 16.1,92.3 16.1,99.4
SWN1 on L1 "L1-SWN1" (solid, remove dead copper, pour order 43): 6.3,93.4 6.293,118 1.2,118 1.2,93.4
12V on L1 "L1-12V 3" (solid, remove dead copper, pour order 38): 14.7,131.75 30.75,131.75 30.75,128.9 20.05,128.9 17.15,126 14.7,126
12V on L1 "L1-12V 2" (solid, remove dead copper, pour order 36): 14.25,118.3 14.25,121 8.2,121 7.6,121.6 7.6,123.2 1.2,123.2 1.2,118.3
SWN3 on L1 "L1-SWN3" (solid, remove dead copper, pour order 42): 38.2,93.4 38.193,118 33.2,118 33.2,93.4
SWN2 on L1 "L1-SWN2" (solid, remove dead copper, pour order 44): 22.3,93.4 22.3,118 17.2,118 17.2,93.4
12V on L1 "L1-12V 1" (solid, remove dead copper, pour order 35): 46.25,118.3 46.25,121 40.5,121 39.4,122.1 39.4,123.2 33.2,123.2 33.2,118.3
1V on L1 "L1-1V 1" (solid, remove dead copper, pour order 40): 48,93 48,107.1 45.65,109.45 45.65,113.25 42.9,113.25 42.9,93
12V on L1 "L1-12V" (solid, remove dead copper, pour order 37): 30.25,118.3 30.25,121 24.2,121 23.6,121.6 23.6,123.25 17.2,123.25 17.2,118.3
1V on L1 "L1-1V" (solid, remove dead copper, pour order 39): 32.1,93.4 32.1,107.15 29.75,109.5 29.75,113.25 27,113.25 27,93.4
GND on L1 "L1-GND" (solid, remove dead copper, pour order 47): 0,132.3 91,132.3 91,0 0,0
GND on L2 "L2-GND" (solid, remove dead copper, pour order 54): 0,0 91,0 91,132.25 0,132.25
SWN1 on L2 "L2-SWN1" (solid, remove dead copper, pour order 53): 6.302,93.4 6.294,118 1.2,118 1.2,93.4
12V on L2 "L2-12V 2" (solid, remove dead copper, pour order 49): 33.2,123.2 40.3,123.2 40.3,118.3 33.2,118.3
SWN3 on L2 "L2-SWN3" (solid, remove dead copper, pour order 51): 38.203,93.4 38.195,116.15 33.2,116.15 33.2,93.4
12V on L2 "L2-12V 1" (solid, remove dead copper, pour order 50): 17.2,123.177 24.4,123.177 24.4,118.3 17.2,118.3
SWN2 on L2 "L2-SWN2" (solid, remove dead copper, pour order 52): 22.3,93.4 22.3,116.15 17.2,116.15 17.2,93.4
12V on L2 "L2-12V" (solid, remove dead copper, pour order 48): 1.2,123.2 7.7,123.2 7.7,118.3 1.2,118.3

## Keep-outs
Keep-Out Layer:
  the board outline again, w0.254

## Other copper
L1:
  text "Top" at 65.144,-93.975 h1.35
L2:
  text "Inner 1" at 63.884,-93.75 h1.35
L3:
  text "Inner 2" at 63.595,-93.75 h1.35
L4:
  text "Bottom" at 63.479,-93.75 h1.35
Multi-Layer:
  lines w0.05: -54.95,-129.8 -54.95,-129.95 -54.8,-129.95
  lines w0.1: -49.95,-117.45 -44.95,-117.45 140.05,-117.45 ; -49.95,-72.45 -44.95,-72.45 ; -49.95,-31.412 -44.95,-31.412 ; -49.95,18.588 -44.95,18.588 ; -49.95,68.588 -44.95,68.588 ; -49.95,118.626 -44.95,118.626 ; -44.95,-112.45 50.05,-112.45 ; -44.95,-107.45 140.05,-107.45 ; -44.95,-102.45 50.05,-102.45 ; -44.95,-97.45 140.05,-97.45 ; -44.95,-92.45 50.05,-92.45 ; -44.95,-87.45 140.05,-87.45 ; -44.95,-82.45 50.05,-82.45 ; -44.95,-77.45 50.05,-77.45 ; -44.95,162.05 -44.95,-124.95 ; -44.7,-124.95 140.05,-124.95 ; -37.2,-117.45 -37.2,-72.45 ; 15.05,-117.45 15.05,-72.45 ; 30.05,-117.45 30.05,-72.45 ; 40.05,-117.45 40.05,-72.45 ; 50.05,-117.45 50.05,-72.45 ; 82.55,-97.45 82.55,-87.45 ; 92.55,-97.45 92.55,-72.45 ; 127.55,-117.45 127.55,-87.45 ; -44.95,-124.95 140.05,-124.95 ; -44.95,-124.95 140.05,-124.95 ; -44.95,-124.95 -49.95,-124.95 -49.95,162.05 140.05,162.05 140.05,-124.95 ; -44.95,-124.95 140.05,-124.95 ; -44.95,-124.95 -44.95,-72.45 ; -44.95,-72.45 140.05,-72.45 140.05,-124.95
  text "Schematic file and SVN revision:" at 51.55,-75.664 h1
  text "Schematic name" at 51.55,-80.477 h1.35
  text "D&D IMI Europe" at 103.841,-81.516 h2.5
  text "Rev" at 51.55,-84.345 h1.35
  text "Scale" at 85.308,-89.89 h1
  text "Size" at 131.879,-89.914 h1
  text "Layer" at 51.225,-90.057 h1
  text "Document type" at 98.031,-90.057 h1
  text "Gerber" at 106.857,-94.595 h1.35
  text "1:1" at 87.213,-95.445 h1.35
  text "A4" at 131.971,-95.445 h1.35
  text "REV" at 131.941,-99.99 h1
  text "Title/DrawingNr" at 52.004,-100.18 h1
  text "73xxxx_PCB-Name" at 82.685,-103.725 h1.35
  text "XX" at 132.074,-104.05 h1.35
  text "Sheet" at 131.346,-109.44 h1
  text "Project" at 51.649,-109.63 h1
  text "YYYY-MM-DD" at 16.394,-110.42 h1.3
  text "XXX" at 33.589,-110.42 h1.3
  text "YYY" at 43.527,-110.42 h1.3
  text "01" at -41.287,-110.45 h1.35
  text "Creation" at -16.631,-110.482 h1.35
  text "73xxxx" at 88.585,-113.4 h1.35
  text "Rev." at -42.215,-115.45 h1.35
  text "Date" at 20.669,-115.45 h1.35
  text "Author" at 32.267,-115.45 h1.35
  text "Check" at 42.559,-115.45 h1.35
  text "Modification" at -18.327,-115.482 h1.35
  text "1/1" at 131.975,-115.923 h1.35
  text "Printed copies of this document are uncontrolled and may NOT be current. All information is strictly CONFIDENTIAL." at -44.3,-120 h1.05
  text "IMI Group reserves all rights even in the event of industrial property rights." at 63.8,-120 h1.05
  text "We reserve all rights of disposal such as copying and passing on to third parties." at -44.35,-123.45 h1.05

## Silkscreen, mask and mechanical layers (free items; w line width, h text height)
26_Silkscreen Top:
  text "Silkscreen Top" at 60.23,-94.007 h1.35
29_Silkscreen Bottom:
  text "Silkscreen Bottom" at 58.565,-93.782 h1.35
23_Paste Mask Top:
  text "Solder Paste Top" at 58.816,-93.975 h1.35
22_Paste Mask Bottom:
  text "Solder Paste Bottom" at 57.151,-93.75 h1.35
21_Solder Mask Top:
  text "Solder Mask Top" at 59.134,-93.975 h1.35
28_Solder Mask Bottom:
  text "Solder Mask Bottom" at 57.469,-93.75 h1.35
Notes:
  text "Assembly Top" at 60.301,-93.975 h1.35
Fabrication:
  text "Assembly Bottom" at 58.636,-93.975 h1.35
24_Drill Drawing:
  text "Drill Drawing" at 61.326,-94.007 h1.35
Mechanical 17:
  text "Fabrication" at 61.853,-96.532 h1.35

## Text inside footprints (layer, text, board x,y; h text height)
J1: Top Assy "5" at 85.933,95.2 h0.5; Top Assy "1" at 74.09,95.2 h0.5
J2: Top Assy "5" at 75.717,126.4 h0.5 r180; Top Assy "1" at 78.859,126.4 h0.5 r180
J3: Top Assy "3" at 50.867,130.3 h0.5 r180; Top Assy "1" at 60.41,130.3 h0.5 r180